# Altium PCB CL-HC-M-V2.1gerber.PcbDoc (part 6 of 18) (continued)
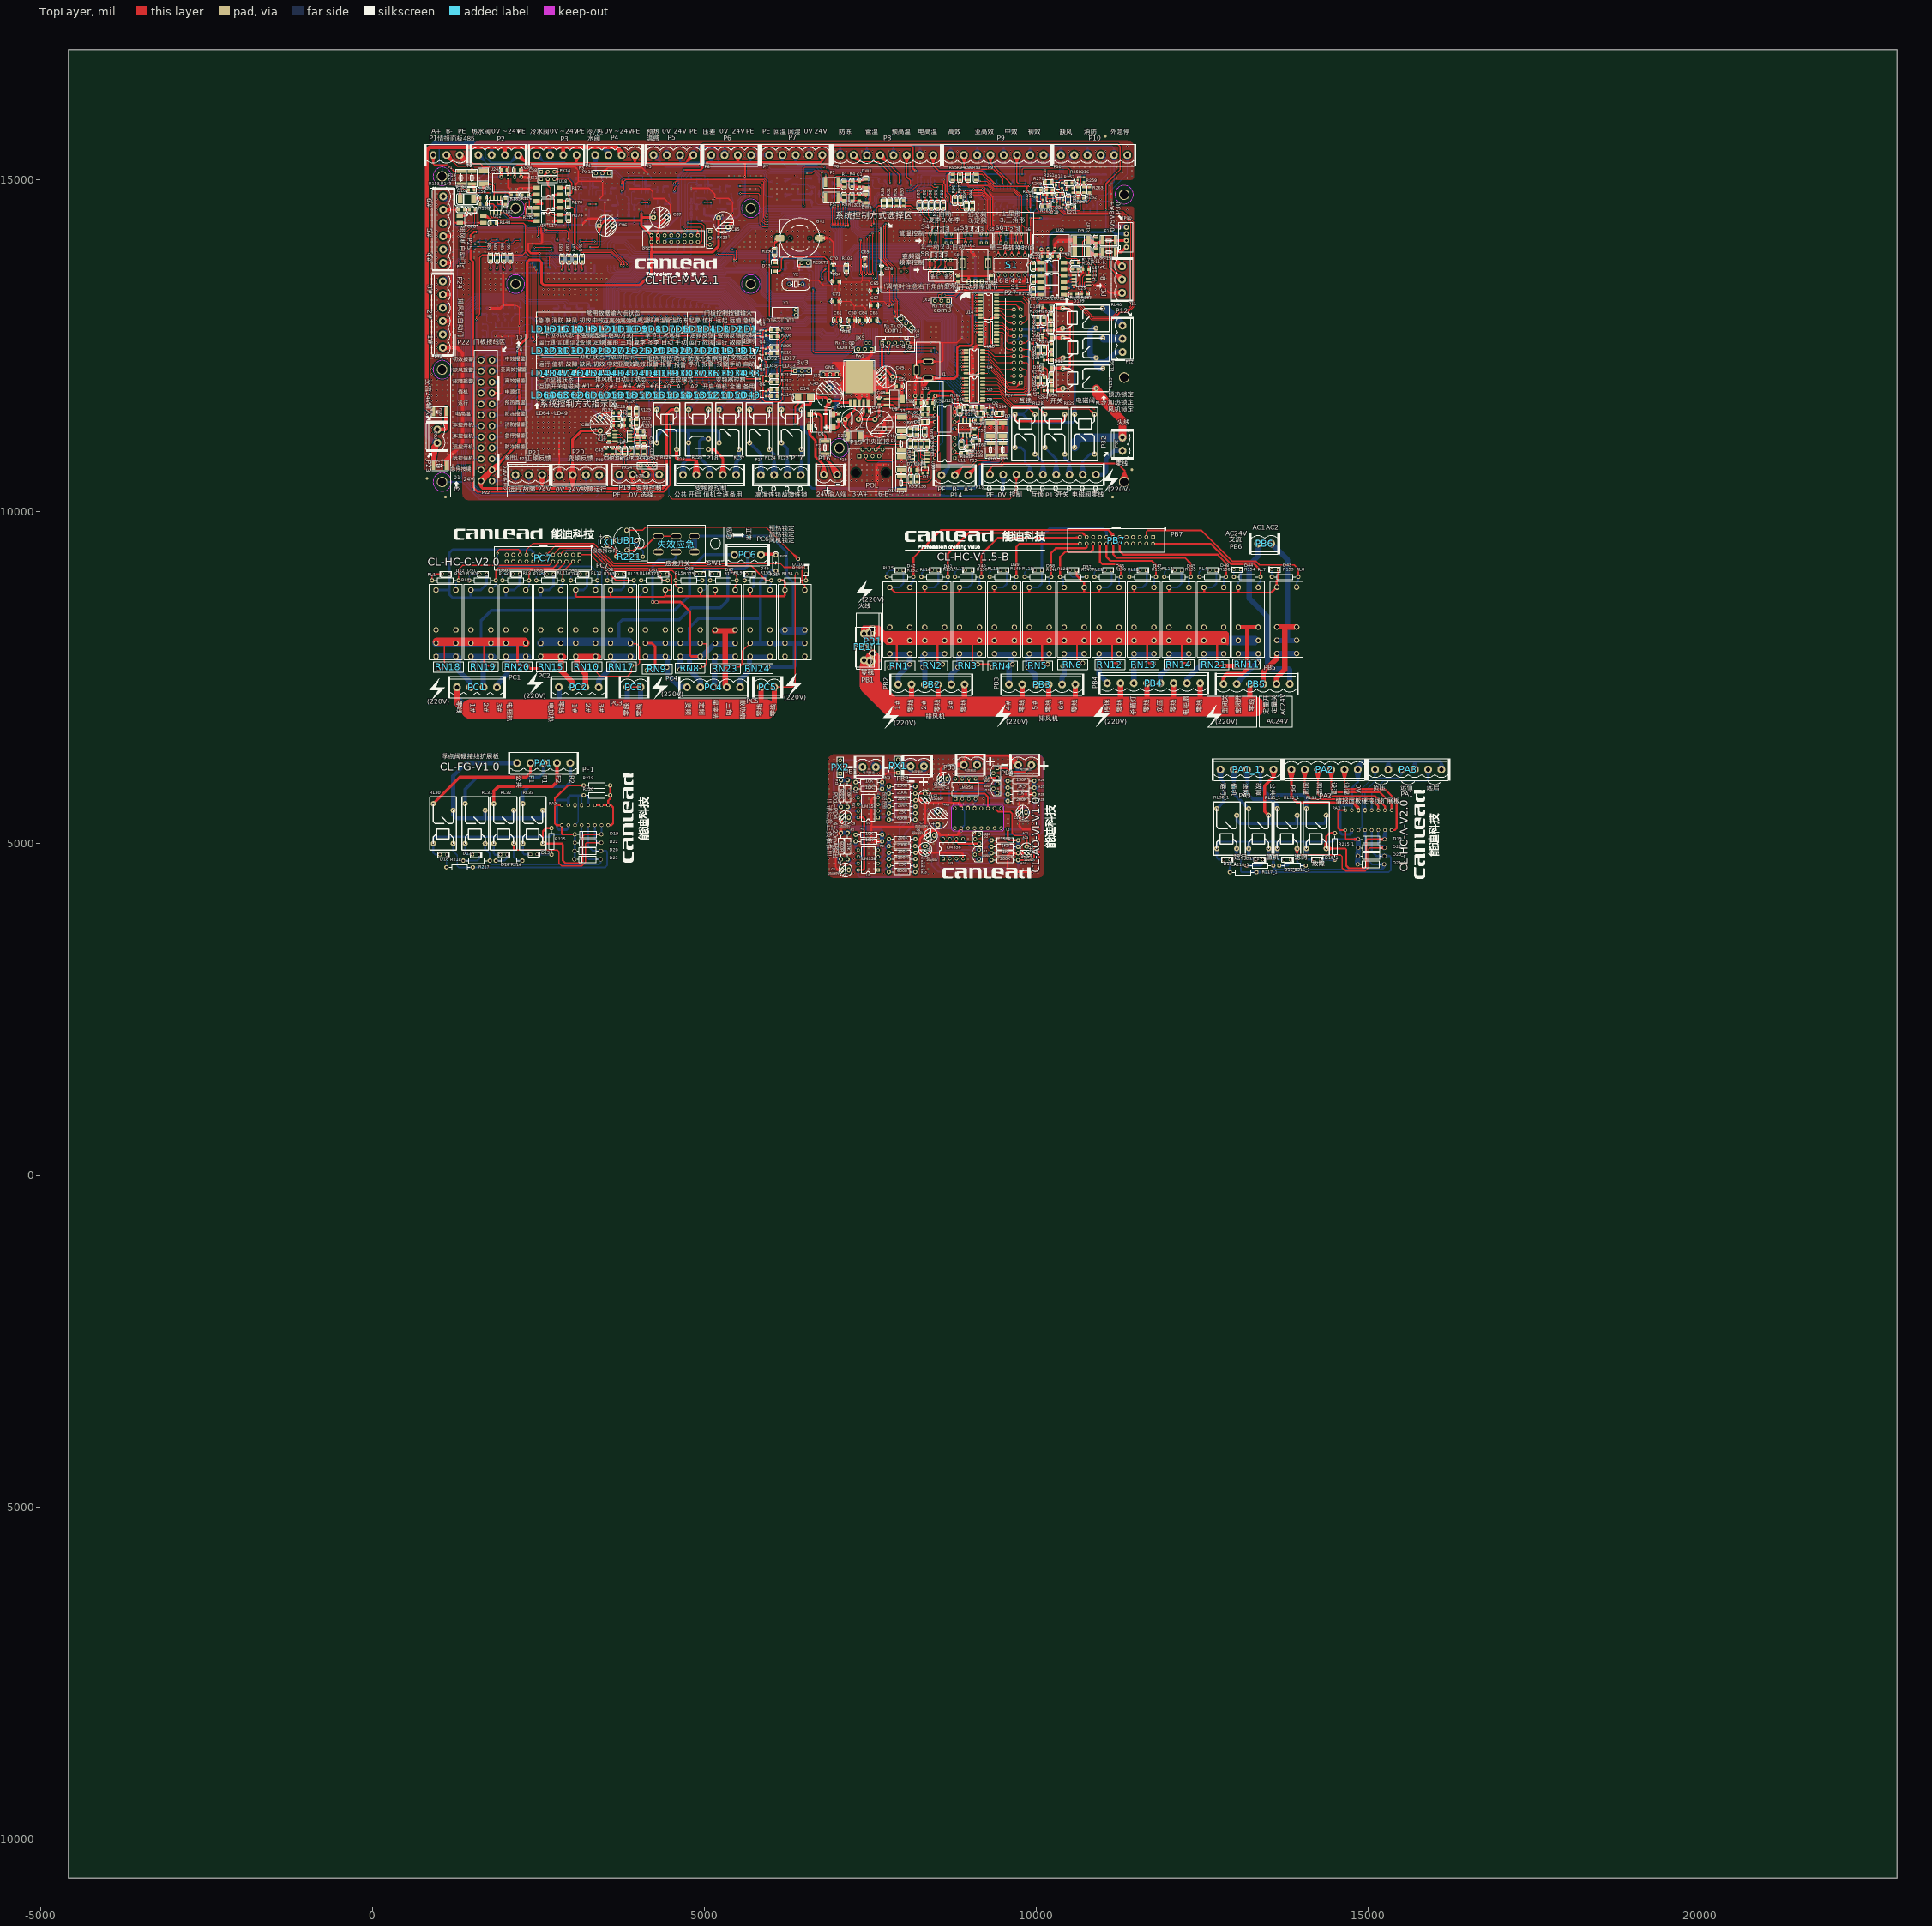
[diagram p0: TopLayer view]
## Nets (pads, with @x,y where several pads share a name; then routed paths per layer and width w, separated by ;. In a path a pad name is that pad's centre, name@x,y a point inside that pad or via, vN(x,y) a via of type N, cw(c..) or ccw(c..) an arc to the next point about the centre after c; other vN are vias at no path point) (continued)
24V-中效报警灯: P22.2 U8.14 | length 1142.2
  BottomLayer w20: P22.2@1802.48,12260.27 1910.66,12280.18 ; P22.2@1802.48,12300.1 1910.66,12280.18 ; P22.2@1807.93,12240.85 1910.66,12280.18 ; P22.2@1807.93,12319.52 1910.66,12280.18 ; 2207.38,12336.08 U8.14@2282.38,12336.08 ; U8.14@2294.67,12336.08 2073.22,12336.08 2017.32,12280.18 P22.2@1800.66,12280.18 1910.66,12280.18
24V-亚高效报警灯: P22.4 U8.12 | length 1169.2
  BottomLayer w20: P22.4@1802.48,12094.91 1910.66,12114.83 ; P22.4@1802.48,12134.74 1910.66,12114.83 ; P22.4@1807.93,12075.49 1910.66,12114.83 ; P22.4@1807.93,12154.16 1910.66,12114.83 ; 2207.38,12236.08 U8.12@2282.38,12236.08 ; U8.12@2294.67,12236.08 2155.67,12236.08 2034.42,12114.83 P22.4@1800.66,12114.83 1910.66,12114.83
24V-值机: RL25.2 U27.13 | length 1738.4
  BottomLayer w20: RL25.2@4744.8,11558.27 4844.56,11616.83 RL25.2@4786,11517.07 ; RL25.2@4762.76,11535.04 4911.02,11683.29 5988.64,11683.29 6010.95,11705.6 U27.13@6010.95,11818.83 ; 6010.95,11718.83 U27.13@6010.95,11793.83
24V-停机保温: P27.18 U15.16 | length 580.9
  TopLayer w15: U15.16@9403.64,12854.54 9482.41,12854.54 ; U15.16@9428.64,12854.54 9482.41,12854.54 ; P27.18@9662.7,12722.11 9593.07,12743.88 ; P27.18@9662.7,12765.66 9593.07,12743.88 ; 9482.41,12854.54 9593.07,12743.88 ; 9593.07,12743.88 P27.18@9666.03,12743.88 9593.07,12743.88
24V-初效报警灯: P22.1 U8.15 | length 1219.3
  BottomLayer w20: P22.1@1612.62,12313.13 1713.27,12358.15 ; P22.1@1622.5,12295.55 1713.27,12358.15 ; P22.1@1635.3,12280.18 1713.27,12358.15 ; P22.1@1650.67,12267.38 1713.27,12358.15 ; P22.1@1668.25,12257.5 1713.27,12358.15 ; 2207.38,12386.08 U8.15@2282.38,12386.08 ; U8.15@2294.67,12386.08 2052.49,12386.08 2024.56,12358.15 1713.27,12358.15
24V-加湿器-加湿互锁: RL28.1 U3.10 | length 1452.7
  TopLayer w15: U3.10@9194.27,11709.99 9472.52,11709.99 9628.06,11554.45 9890.74,11554.45 RL28.1@9981.53,11463.66 9910.34,11534.85 ; U3.10@9219.27,11709.99 9279.27,11709.99 ; RL28.1@9955.71,11444.98 9910.34,11534.85 ; RL28.1@9968.64,11452.77 9910.34,11534.85 ; RL28.1@9992.42,11476.55 9910.34,11534.85 ; RL28.1@10000.21,11489.48 9910.34,11534.85
24V-加湿器-加湿开关: RL29.2 U3.11 | length 1623.4
  TopLayer w15: U3.11@9194.27,11759.99 9460.98,11759.99 9641.52,11579.45 10015.74,11579.45 RL29.2@10131.53,11463.66 10060.34,11534.85 ; U3.11@9219.27,11759.99 9279.27,11759.99 ; RL29.2@10105.71,11444.98 10060.34,11534.85 ; RL29.2@10118.64,11452.77 10060.34,11534.85 ; RL29.2@10142.42,11476.55 10060.34,11534.85 ; RL29.2@10150.21,11489.48 10060.34,11534.85
24V-加湿器-加湿电磁阀: RL27.1 U3.12 | length 2392.1
  TopLayer w15: U3.12@9194.27,11809.99 9446.34,11809.99 9651.88,11604.45 10070.85,11604.45 10126.97,11548.33 10795.19,11548.33 RL27.1@10879.6,11463.92 10808.41,11535.11 ; U3.12@9219.27,11809.99 9279.27,11809.99 ; RL27.1@10853.79,11445.24 10808.41,11535.11 ; RL27.1@10866.72,11453.03 10808.41,11535.11 ; RL27.1@10890.49,11476.81 10808.41,11535.11 ; RL27.1@10898.29,11489.74 10808.41,11535.11
24V-加热1: P27.4 U4.13 | length 854.6
  TopLayer w15: U4.13@9194.27,12283.43 9282.38,12283.43 9521.92,12043.88 P27.4@9666.03,12043.88 9591.5,12043.88 ; U4.13@9219.27,12283.43 9279.27,12283.43 ; P27.4@9662.77,12022.1 9591.5,12043.88 ; P27.4@9662.77,12065.67 9591.5,12043.88
24V-加热2: P27.19 U14.15 | length 1020
  TopLayer w15: U14.15@9403.64,13217.5 9789.73,13217.5 9866.97,13140.26 9866.97,12895.91 9814.94,12843.88 ; U14.15@9428.64,13217.5 9488.64,13217.5 ; P27.19@9766.03,12843.88 9814.94,12843.88 ; P27.19@9770.99,12822.42 9814.94,12843.88 ; P27.19@9770.99,12865.35 9814.94,12843.88
24V-加热3: P27.1 U4.11 | length 1028.4
  TopLayer w15: U4.11@9194.27,12183.43 9298.16,12183.43 9596.36,11885.23 9707.38,11885.23 ; U4.11@9219.27,12183.43 9279.27,12183.43 ; P27.1@9748.52,11957.25 9707.38,11885.23 ; P27.1@9779.4,11926.38 9707.38,11885.23 ; 9707.38,11885.23 P27.1@9766.03,11943.88 9707.38,11885.23
24V-变频: P27.5 U3.16 | length 1297.3
  TopLayer w15: U3.16@9194.27,12009.99 9400.89,12009.99 9575.65,11835.23 9817.01,11835.23 9858.1,11876.32 9858.1,12120.81 9835.02,12143.88 ; U3.16@9219.27,12009.99 9279.27,12009.99 ; P27.5@9766.03,12143.88 9835.02,12143.88 ; P27.5@9769.55,12122.14 9835.02,12143.88 ; P27.5@9769.55,12165.63 9835.02,12143.88
24V-变频开启: RL26.2 U27.14 | length 2130.8
  BottomLayer w20: RL26.2@4264.8,11558.27 4364.56,11616.83 RL26.2@4306,11517.07 ; RL26.2@4282.76,11535.04 4459.02,11711.29 5934.55,11711.29 5960.95,11737.69 ; U27.14@5960.95,11793.83 5960.95,11737.69 ; U27.14@5960.95,11818.83 5960.95,11737.69
24V-备用: RL37.2 U27.12 | length 1329.2
  BottomLayer w20: RL37.2@5204.8,11558.27 5304.56,11616.83 RL37.2@5246,11517.07 ; RL37.2@5222.76,11535.04 5343.02,11655.29 6011.89,11655.29 6060.95,11704.36 U27.12@6060.95,11818.83 ; 6060.95,11718.83 U27.12@6060.95,11793.83
24V-外接急停报警: P22.16 U25.11 | length 1548.9
  BottomLayer w20: P22.16@1802.48,11102.78 1910.66,11122.7 ; P22.16@1802.48,11142.62 1910.66,11122.7 ; P22.16@1807.93,11083.37 1910.66,11122.7 ; P22.16@1807.93,11162.03 1910.66,11122.7 ; U25.11@2282.38,11716.61 2228.55,11716.61 ; U25.11@2307.38,11716.61 2228.55,11716.61 ; 1910.66,11122.7 P22.16@1800.66,11122.7 1963.04,11122.7 2104.07,11263.73 2104.07,11592.12 2228.55,11716.61
24V-定量阀: P27.3 U4.10 | length 1135.4
  TopLayer w15: U4.10@9194.27,12133.43 9312.8,12133.43 9586,11860.23 9806.66,11860.23 9833.1,11886.67 9833.1,12026.1 9815.31,12043.88 ; U4.10@9219.27,12133.43 9279.27,12133.43 ; P27.3@9766.03,12043.88 9815.31,12043.88 ; P27.3@9770.95,12022.41 9815.31,12043.88 ; P27.3@9770.95,12065.35 9815.31,12043.88
24V-定频: P27.7 U3.15 | length 1470.2
  TopLayer w15: U3.15@9194.27,11959.99 9402.4,11959.99 9562.86,11799.53 9816.67,11799.53 9883.1,11865.96 9883.1,12215.41 9854.62,12243.88 P27.7@9766.03,12243.88 ; U3.15@9219.27,11959.99 9279.27,11959.99 ; P27.7@9769.28,12222.1 9840.56,12243.88 P27.7@9769.28,12265.67
24V-密闭阀: P27.2 U4.12 | length 875.3
  TopLayer w15: U4.12@9194.27,12233.43 9284.42,12233.43 9573.96,11943.88 P27.2@9666.03,11943.88 9591.5,11943.88 ; U4.12@9219.27,12233.43 9279.27,12233.43 ; P27.2@9662.77,11922.1 9591.5,11943.88 ; P27.2@9662.77,11965.67 9591.5,11943.88
24V-情报-负压: OP3.2 P26.6 PAX.6@8972.68,5230.32 R249.2 | length 5060.2
  TopLayer w15: v1@6545.83,15097.48 6619.63,15097.48 6661.22,15139.08 v1(6852.92,15139.08) 6795.42,15139.08 ; v1(6546.7,15098.35) 6604.21,15097.48
  BottomLayer w15: P26.6@4388.96,14080.95 4450.8,14112.03 ; P26.6@4401.86,14063.1 4450.8,14112.03 ; P26.6@4419.72,14050.2 4450.8,14112.03 ; 6489.2,15098.35 v1(6546.7,15098.35) 5964.44,15098.35 5914.44,15148.35 4751.73,15148.35 4657.86,15054.48 4657.86,14421.41 4645,14408.55 4645,14252.36 4653.33,14244.02 4653.33,14127.58 4637.79,14112.03 4450.8,14112.03 ; v1(6852.92,15139.08) 7460.5,15139.08 7470.12,15129.45 7470.12,15046.15 7479.99,15036.28 7617.09,15036.28 7625.18,15028.19 ; R249.2@7612.83,14995.3 7625.18,14957.04 ; R249.2@7612.93,14999.76 7625.18,15028.19 ; R249.2@7637.42,14999.76 7625.18,15028.19 ; R249.2@7637.52,14995.3 7625.18,14957.04 ; OP3.2@7712.38,14877.24 7712.38,14935.21 ; OP3.2@7712.38,14907.24 7712.38,14935.21 ; 7625.18,14957.04 7635.56,14946.66 7700.93,14946.66 7712.38,14935.21 ; 7625.18,14957.04 R249.2@7625.18,14997.24 7625.18,15028.19
24V-情报-远值: OP4.8 P26.7 PAX.7@9072.68,5530.32 R250.2 | length 2178.9
  BottomLayer w15: OP4.8@3202.76,13970.04 3202.76,14014.7 3219.35,14031.29 ; OP4.8@3202.76,14000.04 3219.35,14031.29 ; R250.2@3294.92,14127.25 3306.88,14063.35 ; R250.2@3319.81,14127.06 3306.88,14063.35 ; P26.7@4480.23,14158.97 4479.31,14222.54 ; P26.7@4520.79,14174.36 4479.31,14222.54 ; 3219.35,14031.29 3306.88,14031.29 ; 3306.88,14031.29 3467.7,14031.29 3557.99,14121.57 4062.25,14121.57 4163.21,14222.54 4479.31,14222.54 ; 3306.88,14031.29 3306.88,14127.86 R250.2@3307.38,14128.36 3306.88,14063.35 ; 4479.31,14222.54 4501.86,14199.99 ; 4479.31,14222.54 P26.7@4501.86,14163.1 ; P26.7@4501.86,14163.1 4501.86,14199.99 ; P26.7@4501.86,14163.1 4501.86,14199.99 ; 4501.86,14199.99 4480.84,14169.67 4501.86,14199.99 ; 4501.86,14199.99 4522.89,14169.67 4501.86,14199.99
24V-情报-远启: OP4.6 P26.9 PAX.9@9172.68,5530.32 R251.2 | length 2921.9
  TopLayer w10: v1(3132.38,14072.9) v1(3345.23,14072.9) ; v1@3133.04,14065.42 3174.88,14072.9 v1@3133.04,14080.37 ; v1@3344.57,14065.42 3302.73,14072.9 v1@3344.57,14080.37
  BottomLayer w10: OP4.6@3092.83,14001.19 3102.76,14043.28 ; OP4.6@3102.76,13970.04 3102.76,14043.28 ; OP4.6@3102.76,14000.04 3102.76,14043.28 ; OP4.6@3112.69,14001.19 3102.76,14043.28 ; R251.2@3117.54,14126.11 v1@3132.38,14078.36 ; v1@3124.99,14071.58 R251.2@3121.15,14114.51 ; v1@3125.33,14075.47 R251.2@3143.6,14114.51 ; v1@3126.62,14077.7 3102.76,14043.28 ; v1@3137.18,14067.14 3102.76,14043.28 ; v1@3139.42,14075.47 R251.2@3121.15,14114.51 ; v1@3139.76,14071.58 R251.2@3143.6,14114.51 ; R251.2@3147.21,14126.11 v1@3132.38,14078.36 ; 3102.76,14043.28 v1(3132.38,14072.9) ; 3102.76,14043.28 v1(3132.38,14072.9) ; R251.2@3121.15,14114.51 v1(3132.38,14072.9) ; v1(3132.38,14072.9) R251.2@3132.38,14128.36 v1@3132.38,14078.36 ; v1(3132.38,14072.9) R251.2@3143.6,14114.51 ; v1(3132.38,14072.9) R251.2@3132.38,14115.4 ; R251.2@3132.38,14115.4 3124.9,14073.56 R251.2@3132.38,14115.4 ; R251.2@3132.38,14115.4 3139.85,14073.56 R251.2@3132.38,14115.4
  BottomLayer w15: v1(3345.23,14072.9) 3476.78,14072.9 3548.46,14144.57 4033.38,14144.57 4134.35,14245.54 4569.58,14245.54 4601.86,14213.25 ; P26.9@4580.37,14167.93 4601.86,14213.25 ; P26.9@4601.86,14163.1 4601.86,14213.25 ; P26.9@4623.35,14167.93 4601.86,14213.25
24V-排风机1: P27.13 U14.16 | length 1462.9
  TopLayer w15: U14.16@9403.64,13267.5 9790.38,13267.5 9894.76,13163.12 9894.76,12592.56 9846.08,12543.88 P27.13@9766.03,12543.88 ; U14.16@9428.64,13267.5 9488.64,13267.5 ; P27.13@9769.28,12522.1 9840.56,12543.88 P27.13@9769.28,12565.67
24V-排风机2: P27.21 U14.14 | length 838.3
  TopLayer w15: U14.14@9403.64,13167.5 9781.71,13167.5 9828.29,13120.92 9828.29,12955.29 9816.88,12943.88 ; U14.14@9428.64,13167.5 9488.64,13167.5 ; P27.21@9766.03,12943.88 9816.88,12943.88 ; P27.21@9770.8,12922.38 9816.88,12943.88 ; P27.21@9770.8,12965.39 9816.88,12943.88
24V-排风机3: P27.23 U14.13 | length 713.2
  TopLayer w15: U14.13@9403.64,13117.5 9692.42,13117.5 P27.23@9766.03,13043.88 9704.68,13105.23 ; U14.13@9428.64,13117.5 9488.64,13117.5 ; P27.23@9748.6,13030.41 9704.68,13105.23 ; P27.23@9779.5,13061.31 9704.68,13105.23
24V-排风机4: P27.24 U14.12 | length 548.7
  TopLayer w15: U14.12@9403.64,13067.5 9481.6,13067.5 ; U14.12@9428.64,13067.5 9481.6,13067.5 ; P27.24@9662.77,13022.1 9591.5,13043.88 ; P27.24@9662.77,13065.67 9591.5,13043.88 ; 9481.6,13067.5 9505.21,13043.88 P27.24@9666.03,13043.88 9591.5,13043.88
24V-排风机5: P27.22 U14.11 | length 552.7
  TopLayer w15: U14.11@9403.64,13017.5 9464.89,13017.5 ; U14.11@9428.64,13017.5 9464.89,13017.5 ; P27.22@9662.77,12922.1 9591.5,12943.88 ; P27.22@9662.77,12965.67 9591.5,12943.88 ; 9464.89,13017.5 9538.51,12943.88 P27.22@9666.03,12943.88 9591.5,12943.88
24V-排风机6: P27.20 U14.10 | length 563.3
  TopLayer w15: U14.10@9403.64,12967.5 9454.78,12967.5 ; U14.10@9428.64,12967.5 9454.78,12967.5 ; P27.20@9662.77,12822.1 9591.5,12843.88 ; P27.20@9662.77,12865.67 9591.5,12843.88 ; 9454.78,12967.5 9578.39,12843.88 P27.20@9666.03,12843.88 9591.5,12843.88
24V-故障联运输出: RL24.2 U27.11 | length 925.3
  BottomLayer w20: RL24.2@5664.8,11558.27 5764.56,11616.83 RL24.2@5706,11517.07 ; RL24.2@5682.76,11535.04 5769.62,11621.89 6038.93,11621.89 6110.95,11693.92 U27.11@6110.95,11818.83 ; 6110.95,11718.83 U27.11@6110.95,11793.83
24V-散热扇: P27.11 U3.13 | length 1787.2
  TopLayer w15: U3.13@9194.27,11859.99 9431.69,11859.99 9542.73,11748.95 9850.42,11748.95 9850.42,11762.58 9933.1,11845.25 9933.1,12409.27 9898.48,12443.88 P27.11@9766.03,12443.88 ; U3.13@9219.27,11859.99 9279.27,11859.99 ; P27.11@9769.28,12422.1 9840.56,12443.88 P27.11@9769.28,12465.67
24V-星三角: P27.9 U3.14 | length 1622.3
  TopLayer w15: U3.14@9194.27,11909.99 9417.05,11909.99 9552.51,11774.53 9827.02,11774.53 9908.1,11855.61 9908.1,12308.65 9872.86,12343.88 P27.9@9766.03,12343.88 ; U3.14@9219.27,11909.99 9279.27,11909.99 ; P27.9@9769.28,12322.1 9840.56,12343.88 P27.9@9769.28,12365.67
24V-机组值机灯: P22.7 U8.10 | length 1487.8
  BottomLayer w20: P22.7@1612.04,11816.66 1721.46,11870.28 ; P22.7@1622.37,11799.37 1721.46,11870.28 ; P22.7@1650.56,11771.19 1721.46,11870.28 ; P22.7@1667.85,11760.86 1721.46,11870.28 ; U8.10@2282.38,12136.08 2208.93,12136.08 ; U8.10@2294.67,12136.08 2208.93,12136.08 ; 1721.46,11870.28 P22.7@1635.3,11784.12 1721.46,11870.28 ; 1721.46,11870.28 1943.12,11870.28 2208.93,12136.08
24V-机组故障灯: P22.5 U8.16 | length 1907.3
  BottomLayer w20: P22.5@1602.97,11925.92 1544.17,12040.61 ; P22.5@1620.11,11936.47 1544.17,12040.61 ; P22.5@1648.31,11964.67 1544.17,12040.61 ; P22.5@1658.86,11981.8 1544.17,12040.61 ; U8.16@2282.38,12436.08 2237.38,12436.08 ; U8.16@2307.38,12436.08 2237.38,12436.08 ; 1544.17,12040.61 P22.5@1635.3,11949.47 1544.17,12040.61 ; 1544.17,12040.61 1544.17,12317.03 1613.29,12386.15 2012.93,12386.15 2040.86,12414.08 2215.38,12414.08 2237.38,12436.08
24V-机组运行灯: P22.9 U25.16 | length 1517.1
  BottomLayer w20: P22.9@1611.9,11651.21 1723.83,11707.29 ; P22.9@1622.34,11633.99 1723.83,11707.29 ; P22.9@1650.53,11605.8 1723.83,11707.29 ; P22.9@1667.74,11595.36 1723.83,11707.29 ; 2207.38,11966.61 U25.16@2282.38,11966.61 ; U25.16@2307.38,11966.61 2131.89,11966.61 1872.57,11707.29 1723.83,11707.29 ; 1723.83,11707.29 P22.9@1635.3,11618.77 1723.83,11707.29
24V-杀菌灯: P27.16 U15.15 | length 644.8
  TopLayer w15: U15.15@9403.64,12804.54 9497.06,12804.54 9583.46,12718.14 9583.46,12653.74 9593.31,12643.88 ; U15.15@9428.64,12804.54 9488.64,12804.54 ; P27.16@9662.69,12622.11 9593.31,12643.88 ; P27.16@9662.69,12665.66 9593.31,12643.88 ; 9593.31,12643.88 P27.16@9666.03,12643.88 9593.31,12643.88
24V-消防报警: P22.14 U25.12 | length 1425.7
  BottomLayer w20: P22.14@1802.48,11268.14 1910.66,11288.06 ; P22.14@1802.48,11307.97 1910.66,11288.06 ; P22.14@1807.93,11248.72 1910.66,11288.06 ; P22.14@1807.93,11327.39 1910.66,11288.06 ; U25.12@2282.38,11766.61 2225.85,11766.61 ; U25.12@2307.38,11766.61 2225.85,11766.61 ; 1910.66,11288.06 P22.14@1800.66,11288.06 1942.3,11288.06 2074.07,11419.82 2074.07,11614.82 2225.85,11766.61
24V-电柜扇: P27.12 U15.13 | length 688.9
  TopLayer w15: U15.13@9403.64,12704.54 9489.99,12704.54 9532.02,12662.51 9532.02,12475.6 9563.73,12443.88 P27.12@9666.03,12443.88 ; U15.13@9428.64,12704.54 9488.64,12704.54 ; P27.12@9662.77,12422.1 9591.5,12443.88 P27.12@9662.77,12465.67
24V-电热高温报警灯: P22.11 U25.14 | length 1483.5
  BottomLayer w20: P22.11@1612.47,11486.25 1715.25,11533.36 ; P22.11@1622.47,11468.75 1715.25,11533.36 ; P22.11@1650.64,11440.58 1715.25,11533.36 ; P22.11@1668.14,11430.58 1715.25,11533.36 ; 2207.38,11866.61 U25.14@2282.38,11866.61 ; U25.14@2307.38,11866.61 2204.66,11866.61 1871.41,11533.36 1715.25,11533.36 ; 1715.25,11533.36 P22.11@1635.3,11453.41 1715.25,11533.36
24V-电预热高温报警灯: P22.10 U25.15 | length 1181.5
  BottomLayer w20: P22.10@1802.76,11598.88 1895.95,11618.77 ; P22.10@1802.76,11638.66 1895.95,11618.77 ; P22.10@1809.05,11579.66 1895.95,11618.77 ; P22.10@1809.05,11657.87 1895.95,11618.77 ; 2207.38,11916.61 U25.15@2282.38,11916.61 ; U25.15@2307.38,11916.61 2193.79,11916.61 1895.95,11618.77 ; 1895.95,11618.77 P22.10@1800.66,11618.77 1895.95,11618.77
24V-缺风报警灯: P22.3 U8.13 | length 1381
  BottomLayer w20: P22.3@1612.36,12147.59 1716.73,12196.25 ; P22.3@1622.44,12130.14 1716.73,12196.25 ; P22.3@1650.62,12101.97 1716.73,12196.25 ; P22.3@1668.07,12091.89 1716.73,12196.25 ; 2207.38,12286.08 U8.13@2282.38,12286.08 ; U8.13@2294.67,12286.08 2132.69,12286.08 2042.86,12196.25 1716.73,12196.25 ; 1716.73,12196.25 P22.3@1635.3,12114.83 1716.73,12196.25
24V-负压: P27.14 U15.14 | length 634.5
  TopLayer w15: U15.14@9403.64,12754.54 9496.48,12754.54 9558.46,12692.56 9558.46,12563.1 9577.68,12543.88 P27.14@9666.03,12543.88 ; U15.14@9428.64,12754.54 9488.64,12754.54 ; P27.14@9662.77,12522.1 9591.5,12543.88 P27.14@9662.77,12565.67
24V-防冻停机报警: P22.18 U25.10 | length 1681.6
  BottomLayer w20: P22.18@1802.48,10937.43 1910.66,10957.35 ; P22.18@1802.48,10977.26 1910.66,10957.35 ; P22.18@1807.93,10918.01 1910.66,10957.35 ; P22.18@1807.93,10996.68 1910.66,10957.35 ; U25.10@2282.38,11666.61 2227.53,11666.61 ; U25.10@2307.38,11666.61 2227.53,11666.61 ; 1910.66,10957.35 P22.18@1800.66,10957.35 1989.87,10957.35 2157.72,11125.2 2157.72,11596.8 2227.53,11666.61
24V-防冻报警灯: P22.12 U25.13 | length 1362
  BottomLayer w20: P22.12@1802.48,11433.49 1910.66,11453.41 ; P22.12@1802.48,11473.33 1910.66,11453.41 ; P22.12@1807.93,11414.08 1910.66,11453.41 ; P22.12@1807.93,11492.74 1910.66,11453.41 ; U25.13@2282.38,11816.61 2208.05,11816.61 ; U25.13@2307.38,11816.61 2208.05,11816.61 ; 1910.66,11453.41 P22.12@1800.66,11453.41 1982.37,11453.41 2044.07,11515.1 2044.07,11652.63 2208.05,11816.61
24V-面板-值机: P26.10 PAX.10@9172.68,5230.32 U26.14 | length 1490.4
  BottomLayer w15: U26.14@3592.74,13960.04 3592.74,14042.92 ; U26.14@3592.74,13985.04 3592.74,14042.92 ; P26.10@4580.08,14059.84 4601.86,13988.57 P26.10@4623.65,14059.84 ; P26.10@4601.86,14063.1 4601.86,13957.15 4564.38,13919.66 3946.51,13919.66 3800.44,14065.73 3615.56,14065.73 3592.74,14042.92
24V-面板-故障: P26.14 PAX.14@9372.68,5230.32 U26.16 | length 1481.6
  BottomLayer w15: U26.16@3692.74,13960.04 3817.95,13960.04 3908.3,13869.68 4789.28,13869.68 4801.86,13882.27 P26.14@4801.86,14063.1 ; P26.14@4780.08,14059.84 4801.86,13988.57 P26.14@4823.65,14059.84
24V-面板-滤网: P26.12 PAX.12@9272.68,5230.32 U26.15 | length 1538.3
  BottomLayer w15: U26.15@3642.74,13960.04 3642.74,14026.02 ; U26.15@3642.74,13985.04 3642.74,14026.02 ; 3884.63,13938.36 3880.98,13942 ; P26.12@4680.08,14059.84 4701.86,13988.57 P26.12@4723.65,14059.84 ; P26.12@4701.86,14063.1 4701.86,13926.58 4667.97,13892.68 3930.3,13892.68 3880.98,13942 ; 3642.74,14026.02 3657.45,14040.73 3782.26,14040.73 3880.98,13942
24V-面板-运行: P26.8 PAX.8@9072.68,5230.32 U26.13 | length 1428.1
  BottomLayer w15: U26.13@3542.74,13960.04 3542.74,14045.05 3587.99,14090.3 3823.31,14090.3 3970.94,13942.66 4458.44,13942.66 4501.86,13986.08 P26.8@4501.86,14063.1 ; U26.13@3542.74,13985.04 3542.74,14045.04 ; P26.8@4480.08,14059.84 4501.86,13988.57 P26.8@4523.65,14059.84
24V-预热1: P27.10 U4.16 | length 715.9
  TopLayer w15: U4.16@9194.27,12433.43 9277.31,12433.43 ; U4.16@9219.27,12433.43 9277.31,12433.43 ; P27.10@9662.77,12322.1 9591.5,12343.88 P27.10@9662.77,12365.67 ; P27.10@9666.03,12343.88 9366.85,12343.88 9277.31,12433.43
24V-预热2: P27.8 U4.15 | length 804.9
  TopLayer w15: U4.15@9194.27,12383.43 9271.02,12383.43 ; U4.15@9219.27,12383.43 9271.02,12383.43 ; P27.8@9662.77,12222.1 9591.5,12243.88 ; P27.8@9662.77,12265.67 9591.5,12243.88 ; 9271.02,12383.43 9410.56,12243.88 P27.8@9666.03,12243.88 9591.5,12243.88
24V-预热3: P27.6 U4.14 | length 822.3
  TopLayer w15: U4.14@9194.27,12333.43 9267.73,12333.43 ; U4.14@9219.27,12333.43 9267.73,12333.43 ; P27.6@9662.77,12122.1 9591.5,12143.88 ; P27.6@9662.77,12165.67 9591.5,12143.88 ; 9267.73,12333.43 9457.27,12143.88 P27.6@9666.03,12143.88 9591.5,12143.88
24V-高效报警灯: P22.6 U8.11 | length 1217
  BottomLayer w20: P22.6@1802.48,11929.56 1910.66,11949.47 ; P22.6@1802.48,11969.39 1910.66,11949.47 ; P22.6@1807.93,11910.14 1910.66,11949.47 ; P22.6@1807.93,11988.81 1910.66,11949.47 ; 2207.38,12186.08 U8.11@2282.38,12186.08 ; U8.11@2294.67,12186.08 2176.83,12186.08 1940.22,11949.47 P22.6@1800.66,11949.47 1910.66,11949.47
24V-高温联动输出: RL23.2 U27.10 | length 657.8
  BottomLayer w20: RL23.2@6133.64,11538.85 6160.95,11634.44 ; 6160.95,11718.83 U27.10@6160.95,11793.83 ; U27.10@6160.95,11818.83 6160.95,11536.85 RL23.2@6162.76,11535.04 6160.95,11634.44 ; RL23.2@6191.72,11539.9 6160.95,11634.44
24VIN+: F7.1 P16.2 | length 1411.4
  TopLayer w40: P16.2@6964.97,10536.34 6891.52,10728.74 ; P16.2@7031.07,10577.28 6891.52,10728.74 ; 6822.38,10797.89 6999.97,10620.29 ; 6822.38,10797.89 F7.1@6822.38,10869.17 6822.38,10797.89 ; 6891.52,10728.74 P16.2@6999.97,10553.66 ; P16.2@6999.97,10553.66 6999.97,10620.29 ; P16.2@6999.97,10553.66 6999.97,10620.29 ; 6999.97,10620.29 6962.63,10565.11 6999.97,10620.29 ; 6999.97,10620.29 7037.31,10565.11 6999.97,10620.29
24VIN-: D1.2 P16.1 | length 1328.9
  TopLayer w40: D1.2@6566.94,11267.63 6590.13,11152 ; D1.2@6590.13,11269.93 6590.13,11152 ; D1.2@6613.32,11267.63 6590.13,11152 ; P16.1@6761.27,10558.92 6799.97,10698.57 ; P16.1@6799.97,10553.66 6799.97,10698.57 ; P16.1@6838.67,10558.92 6799.97,10698.57 ; 6590.13,11152 6675.27,11066.86 6675.27,10823.27 6799.97,10698.57
165S_DO1: U2.9 U28.10 | length 1972
  TopLayer w10: v1@2461.22,12921.23 2468.69,12963.07 v1@2476.16,12921.23 ; v1@2461.22,13637.7 2468.69,13595.86 ; v1(2468.69,12920.57) v1(2468.69,13638.36) 2468.69,13595.86 ; v1@2476.16,13637.7 2468.69,13595.86
  BottomLayer w10: v1@2461.22,13639.02 2468.69,13680.86 v1@2476.16,13639.02 ; v1(2468.69,13638.36) 2468.69,13926.86 2530.19,13988.36 ; v1@2469.34,12913.1 2511.19,12920.5 ; v1@2469.36,12928.04 2511.19,12920.5 ; U28.10@2566.36,13978.45 2530.19,13988.36 ; U28.10@2566.36,13998.27 2530.19,13988.36 ; U28.10@2567.69,13988.36 2530.19,13988.36 ; U2.9@2586.26,12910.56 2542.38,12920.5 ; U2.9@2586.26,12930.44 2542.38,12920.5 ; U2.9@2587.38,12920.5 2542.38,12920.5 ; U28.10@2592.69,13988.36 2530.19,13988.36 ; U2.9@2612.38,12920.5 2468.76,12920.5 v1(2468.69,12920.57) 2511.19,12920.5
165S_DO2: U28.9 U29.10 | length 7097
  TopLayer w15: v1(8060.74,14839.06) 8131.38,14839.06 8214.09,14921.77 8422.87,14921.77 8454.46,14890.19 v1(8517.38,14890.19)
  BottomLayer w10: U28.9@2592.69,14038.36 2697.73,14038.36 2766.11,13969.98 2766.11,13902.79 2808.86,13860.04 3840.97,13860.04 3869.82,13831.18 5198.4,13831.18 5684.38,14317.16 5847.19,14317.16 5860.33,14330.3 5860.33,14505.92 5919.03,14564.62 7449.07,14564.62 7560.03,14675.57 7560.03,14745.59 7617.46,14803.03 8053.03,14803.03 8060.74,14810.73 ; U28.9@2617.69,14038.36 2662.69,14038.36 ; U28.9@2618.8,14028.42 2662.69,14038.36 ; U28.9@2618.8,14048.3 2662.69,14038.36 ; v1@8053.3,14838.07 8060.74,14810.73 ; v1@8068.17,14838.07 8060.74,14810.73 ; 8060.74,14810.73 v1(8060.74,14839.06) 8060.74,14810.73
  BottomLayer w15: U29.10@8517.38,14748.36 v1(8517.38,14890.19) ; U29.10@8517.38,14773.36 8517.38,14833.36
165S_DO3: U29.9 U30.10 | length 873.6
  BottomLayer w10: U29.9@8557.44,14774.47 8567.38,14818.36 ; U29.9@8567.38,14748.36 8567.38,14838.38 8577.81,14848.81 8973.86,14848.81 9014.38,14808.29 ; U29.9@8567.38,14773.36 8567.38,14818.36 ; U29.9@8577.31,14774.47 8567.38,14818.36 ; U30.10@9004.47,14770.7 9014.38,14808.29 ; U30.10@9014.38,14744.42 9014.38,14808.29 ; U30.10@9014.38,14769.42 9014.38,14808.29 ; U30.10@9024.3,14770.7 9014.38,14808.29
165S_DO4: U30.9 U31.10 | length 2089.7
  TopLayer w10: v1@9860.7,14715.47 9868.18,14673.64 v1@9875.65,14715.47 ; v1(9868.18,14716.14) 9868.18,14544.6 9906.38,14506.39 10229.41,14506.39 v1(10271.03,14548.01) 10237.31,14514.29 ; v1@10265.32,14552.88 10237.31,14514.29 ; v1@10275.9,14542.3 10237.31,14514.29
  BottomLayer w10: U30.9@9065.49,14734.48 9109.38,14744.42 ; U30.9@9065.49,14754.35 9109.38,14744.42 ; v1@9867.22,14708.7 9838.81,14716.14 ; v1@9867.22,14723.57 9838.81,14716.14 ; 9109.38,14744.42 U30.9@9064.38,14744.42 9112.88,14744.42 9151.55,14705.74 9828.42,14705.74 9838.81,14716.14 ; 9838.81,14716.14 v1(9868.18,14716.14) 9838.81,14716.14
  BottomLayer w16: U31.10@10271.61,14608.51 v1(10271.03,14548.01) ; U31.10@10271.61,14613.63 v1@10271.61,14548.59 ; v1(10271.03,14548.01) v1@10271.61,14548.59 ; v1(10271.03,14548.01) 10271.61,14588.63 v1@10271.61,14548.59
220V_N: P13.9 P32.1 pad.0@6414.18,9284.76 pad.0@7498.02,7739.9 pad.2@6394.82,9063.37 PB1'.1 PB1.1@7536.88,7861.85 PB2.2@8120.57,7393.2 PB2.4 PB2.6 PB3.2@9790.57,7393.2 PB3.4 PB3.6 PB4.2@11270.57,7413.2 PB4.4 PB4.6 PB4.8 PB5.3 PC1.1 PC2.1 PC3.1 PC3.2 PC5.1 PC5.2 UB1.1 | length 36361.8
  TopLayer w20: UB1.1@3827.91,9716.86 4068.1,9716.86 4116.9,9765.66 5933.26,9765.66 pad.0@6414.18,9284.76 ; PC3.2@3840.56,7353.85 PC3.1@4040.56,7353.85 ; PC5.1@6052.76,7353.85 6323.29,7353.85 6368.79,7399.36 6368.79,8288.96 6368.79,9037.34 pad.2@6394.82,9063.37 ; pad.0@6398.72,9272.06 6341.74,9357.17 ; pad.0@6414.17,9265.66 pad.0@6414.18,9284.76 ; pad.0@6426.87,9300.21 6341.74,9357.17 ; PB1'.1@7388.08,7759.14 7391.45,7759.14 7491.45,7659.14 ; 6341.74,9357.17 pad.0@6414.18,9284.76
  TopLayer w80: PC1.1@1273.04,7352.79 1273.04,7101.5 1353.09,7021.45 1482.39,7021.45 ; 5852.76,7032.33 PC5.2@5852.76,7353.85 ; 6052.76,7021.11 PC5.1@6052.76,7353.85 ; 8120.57,7167.52 PB2.2@8120.57,7393.2 ; 8520.57,7214.27 PB2.4@8520.57,7393.2 ; 8920.57,7155.02 PB2.6@8920.57,7393.2 ; 9790.57,7167.52 PB3.2@9790.57,7393.2 ; 10190.57,7214.27 PB3.4@10190.57,7393.2 ; 10590.57,7155.02 PB3.6@10590.57,7393.2 ; 11270.57,7187.52 PB4.2@11270.57,7413.2 ; 11670.57,7187.52 PB4.4@11670.57,7413.2 ; 12070.57,7175.02 PB4.6@12070.57,7413.2 ; 12470.57,7175.02 PB4.8@12470.57,7413.2 ; 13220.52,7164.41 PB5.3@13220.52,7402.59
  TopLayer w120: 7491.45,7659.14 7491.45,7814.89 7537.68,7861.12 7583.92,7814.89 ; pad.0@7504.34,7752.91 7550.58,7799.14 ; pad.0@7546.43,7706.67 7592.67,7752.91
  TopLayer w300: 1482.39,7021.45 1482.72,7021.11 5927.28,7021.11 ; 7491.45,7659.14 7491.45,7387.73 7817.52,7061.66 13297.3,7061.66
  BottomLayer w20: pad.2@6394.82,9063.37 6394.82,9176.9 6412.65,9194.72 pad.0@6414.18,9284.76
  BottomLayer w60: P13.9@10902.22,10553.66 11011.68,10553.66 11056.38,10598.36 11056.38,10798.36 11172.39,10914.37 ; 11172.39,10914.37 P32.1@11300.57,10914.37 11172.39,10914.37
  BottomLayer w80: PC1.1@1268.42,7346.11 1268.42,7206.11 ; 1393.36,6981.17 1268.42,7106.11 1268.42,7206.11 ; 1443.42,7091.11 1383.42,7091.11 1268.42,7206.11 ; 2809.61,7122.91 PC2.1@2809.61,7345.16 ; 3840.56,7131.06 PC3.2@3840.56,7353.85 ; 4040.56,7143.66 PC3.1@4040.56,7353.85 ; 5852.76,7027.4 PC5.2@5852.76,7353.85 ; 5927.28,7021.11 6052.76,7146.59 PC5.1@6052.76,7353.85 ; 8120.57,7167.52 PB2.2@8120.57,7393.2 ; 8520.57,7214.27 PB2.4@8520.57,7393.2 ; 8920.57,7155.02 PB2.6@8920.57,7393.2 ; 9790.57,7167.52 PB3.2@9790.57,7393.2 ; 10190.57,7214.27 PB3.4@10190.57,7393.2 ; 10590.57,7155.02 PB3.6@10590.57,7393.2 ; 11270.57,7187.52 PB4.2@11270.57,7413.2 ; 11670.57,7187.52 PB4.4@11670.57,7413.2 ; 12070.57,7175.02 PB4.6@12070.57,7413.2 ; 12470.57,7175.02 PB4.8@12470.57,7413.2 ; 13220.52,7164.41 PB5.3@13220.52,7402.59
  BottomLayer w120: pad.0@7491.45,7799.54 7491.45,7821.28 ; 7560.8,7816.27 PB1.1@7560.8,7838 ; 7592.67,7737.41 7592.67,7759.14
  BottomLayer w300: 1482.72,7021.11 5927.28,7021.11 ; 7491.45,7659.14 7491.45,7387.73 7817.52,7061.66 13297.3,7061.66
485-A-1: F15.1 P11.1 P30.1 | length 1278.6
  TopLayer w25: F15.1@11192.67,13868.15 11192.67,13797.15 ; F15.1@11192.67,13911.45 11192.67,13797.15 ; P11.1@11257.49,13667.34 11192.67,13797.15 ; P11.1@11278.94,13680.49 11192.67,13797.15 ; P11.1@11309.34,13710.89 11192.67,13797.15 ; P11.1@11322.48,13732.33 11192.67,13797.15 ; 11192.67,13797.15 P11.1@11295.27,13694.56 11192.67,13797.15
  TopLayer w40: F15.1@11212.67,13891.45 F15.1@11192.67,13911.45 11283.16,13911.45 P30.1@11356.69,13984.99
485-A-2: F14.1 P1.1 | length 1077
  TopLayer w20: P1.1@887.52,15345.23 914.75,15251.61 ; P1.1@914.75,15349.11 914.75,15251.61 ; P1.1@914.75,15370.67 914.75,15240.13 931.6,15223.27 1132.72,15223.27 1230.45,15125.54 ; P1.1@941.97,15345.23 914.75,15251.61 ; F14.1@1290.81,15112 1230.45,15125.54 ; F14.1@1290.81,15139.08 1230.45,15125.54 ; F14.1@1292.31,15125.54 1230.45,15125.54 ; F14.1@1335.62,15125.54 1230.45,15125.54
485-B-1: F13.1 P11.2 P30.2 | length 1697.9
  TopLayer w25: F13.1@11193.16,14084.99 11131.09,14084.99 11105.41,14059.31 11105.41,13684.41 P11.2@11295.27,13494.56 11183.18,13606.64 ; P11.2@11257.87,13466.83 11183.18,13606.64 ; P11.2@11279.03,13480.39 11183.18,13606.64 ; P11.2@11309.44,13510.8 11183.18,13606.64 ; P11.2@11323,13531.95 11183.18,13606.64
  TopLayer w40: F13.1@11193.16,14084.99 P30.2@11356.69,14084.99